# KiCad board panel.kicad_pcb (continued)
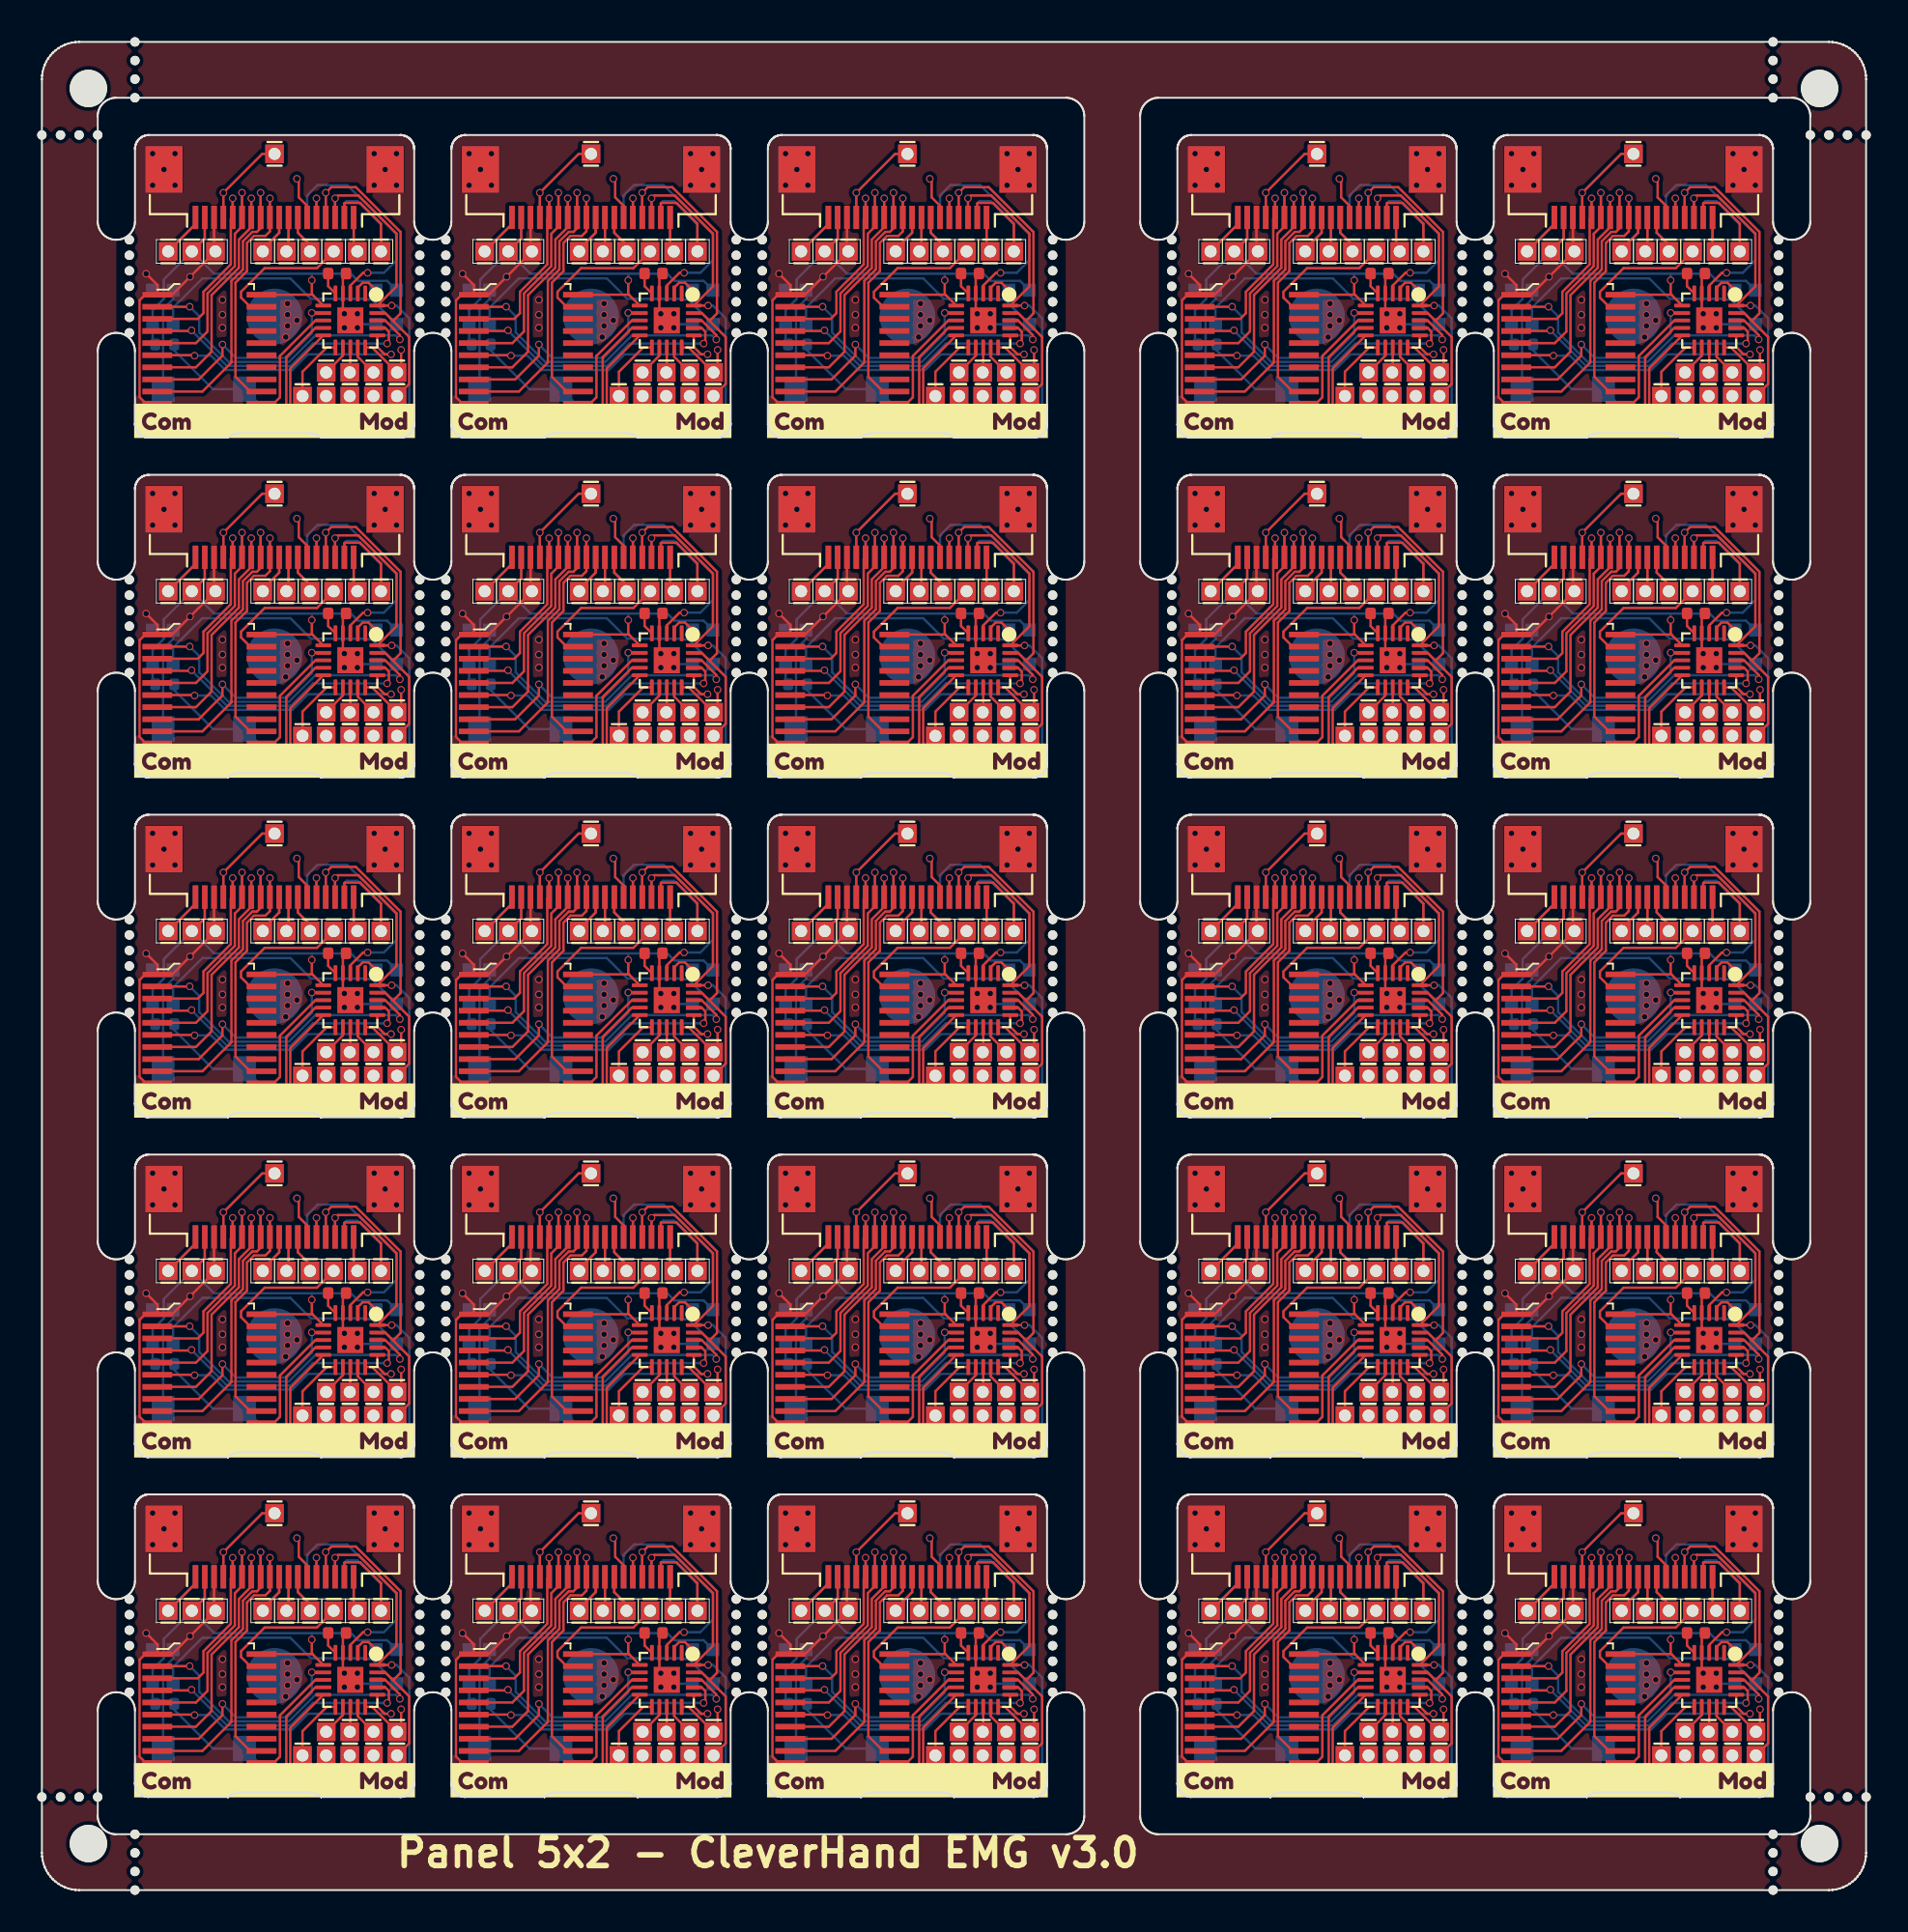
[diagram p0: board, top side]
## Nets (continued)
Board_2-/addr_bus_0: J4#23.5 J10#11.14 U2#14.3
Board_2-/addr_bus_1: J4#23.6 J10#11.13 U2#14.5
Board_2-/addr_bus_2: J4#23.7 J10#11.12 U2#14.7
Board_2-/addr_bus_3: J4#23.8 J10#11.11 U2#14.9
Board_2-/addr_bus_4: J4#23.9 J10#11.10 U2#14.12
Board_2-/addr_bus_5: U2#14.14
Board_2-/addr_bus_6: U2#14.16
Board_2-/addr_bus_7: U2#14.18
Board_2-/addr_mod_0: U1#23.18 U2#14.2
Board_2-/addr_mod_1: U1#23.17 U2#14.4
Board_2-/addr_mod_2: U1#23.16 U2#14.6
Board_2-/addr_mod_3: U1#23.7 U2#14.8
Board_2-/addr_mod_4: U1#23.8 U2#14.11
Board_2-/addr_mod_5: U2#14.13
Board_2-/addr_mod_6: U2#14.15
Board_2-/addr_mod_7: U2#14.17
Board_2-/AIN0: J18#21.1 U1#23.11
Board_2-/AUX1: J4#23.1 J10#11.18 J19#23.1
Board_2-/AUX2: J4#23.17 J10#11.2 J20#7.1
Board_2-/AUX3: J3#24.1 J4#23.4 J10#11.15
Board_2-/CSB: J8#2.1 U2#14.19
Board_2-/extRef: J4#23.18 J9#5.1 J10#11.1
Board_2-/GPIO: J21#18.1 R1#8.2 SW1#4.1 U1#23.10
Board_2-/i2C_SCL: J4#23.16 J10#11.3 J16#25.1 U1#23.20
Board_2-/I2C_SDA: J4#23.15 J10#11.4 J17#23.1 U1#23.19
Board_2-/IO1_in: J4#23.13 U1#23.3
Board_2-/IO1_out: J10#11.6 J11#21.1 U1#23.15
Board_2-/IO2: J4#23.14 J10#11.5
Board_2-/LED_IN: LED1#2.3 U1#23.2
Board_2-/LED_OUT: LED2#19.1
Board_2-/MISO: J4#23.10 J5#6.1 J10#11.9
Board_2-/MOSI: J4#23.11 J6#19.1 J10#11.8
Board_2-/MOSI_ARM: J13#25.1 U1#23.13
Board_2-/SCLK: J4#23.12 J7#5.1 J10#11.7
Board_2-/SCLK_ARM: J14#3.1 U1#23.12
Board_2-/SPICS_ARM: J15#11.1 U1#23.9
Board_2-/SWDIO/MISO_ARM: J12#12.1 U1#23.14
Board_2-/Vcap: C1#17.2 U1#23.5
Board_2-GND: C1#17.1 I1#5.1 J2#17.1 J4#23.3 J4#23.19 J4#23.20 J10#11.16 J10#11.19 J10#11.20 LED1#2.2 LED2#19.2 SW1#4.2 U1#23.4 U1#23.21 U2#14.1 U2#14.10
Board_2-Net-(LED1-DO): LED1#2.1 LED2#19.3
Board_2-unconnected-(U1-P00-Pad1): U1#23.1
Board_3-+3.3V: J1#22.1 J4#22.2 J10#14.17 LED1.4 LED2#25.4 R1#21.1 U1#24.6 U2#11.20
Board_3-/addr_bus_0: J4#22.5 J10#14.14 U2#11.3
Board_3-/addr_bus_1: J4#22.6 J10#14.13 U2#11.5
Board_3-/addr_bus_2: J4#22.7 J10#14.12 U2#11.7
Board_3-/addr_bus_3: J4#22.8 J10#14.11 U2#11.9
Board_3-/addr_bus_4: J4#22.9 J10#14.10 U2#11.12
Board_3-/addr_bus_5: U2#11.14
Board_3-/addr_bus_6: U2#11.16
Board_3-/addr_bus_7: U2#11.18
Board_3-/addr_mod_0: U1#24.18 U2#11.2
Board_3-/addr_mod_1: U1#24.17 U2#11.4
Board_3-/addr_mod_2: U1#24.16 U2#11.6
Board_3-/addr_mod_3: U1#24.7 U2#11.8
Board_3-/addr_mod_4: U1#24.8 U2#11.11
Board_3-/addr_mod_5: U2#11.13
Board_3-/addr_mod_6: U2#11.15
Board_3-/addr_mod_7: U2#11.17
Board_3-/AIN0: J18#14.1 U1#24.11
Board_3-/AUX1: J4#22.1 J10#14.18 J19#17.1
Board_3-/AUX2: J4#22.17 J10#14.2 J20#24.1
Board_3-/AUX3: J3#22.1 J4#22.4 J10#14.15
Board_3-/CSB: J8#20.1 U2#11.19
Board_3-/extRef: J4#22.18 J9#14.1 J10#14.1
Board_3-/GPIO: J21#12.1 R1#21.2 SW1#9.1 U1#24.10
Board_3-/i2C_SCL: J4#22.16 J10#14.3 J16#9.1 U1#24.20
Board_3-/I2C_SDA: J4#22.15 J10#14.4 J17#8.1 U1#24.19
Board_3-/IO1_in: J4#22.13 U1#24.3
Board_3-/IO1_out: J10#14.6 J11#22.1 U1#24.15
Board_3-/IO2: J4#22.14 J10#14.5
Board_3-/LED_IN: LED1.3 U1#24.2
Board_3-/LED_OUT: LED2#25.1
Board_3-/MISO: J4#22.10 J5#21.1 J10#14.9
Board_3-/MOSI: J4#22.11 J6#3.1 J10#14.8
Board_3-/MOSI_ARM: J13#5.1 U1#24.13
Board_3-/SCLK: J4#22.12 J7#21.1 J10#14.7
Board_3-/SCLK_ARM: J14#7.1 U1#24.12
Board_3-/SPICS_ARM: J15#23.1 U1#24.9
Board_3-/SWDIO/MISO_ARM: J12#22.1 U1#24.14
Board_3-/Vcap: C1#2.2 U1#24.5
Board_3-GND: C1#2.1 I1#21.1 J2#16.1 J4#22.3 J4#22.19 J4#22.20 J10#14.16 J10#14.19 J10#14.20 LED1.2 LED2#25.2 SW1#9.2 U1#24.4 U1#24.21 U2#11.1 U2#11.10
Board_3-Net-(LED1-DO): LED1.1 LED2#25.3
Board_3-unconnected-(U1-P00-Pad1): U1#24.1
Board_4-+3.3V: J1#4.1 J4#5.2 J10.17 LED1#24.4 LED2#7.4 R1#14.1 U1#3.6 U2#12.20
Board_4-/addr_bus_0: J4#5.5 J10.14 U2#12.3
Board_4-/addr_bus_1: J4#5.6 J10.13 U2#12.5
Board_4-/addr_bus_2: J4#5.7 J10.12 U2#12.7
Board_4-/addr_bus_3: J4#5.8 J10.11 U2#12.9
Board_4-/addr_bus_4: J4#5.9 J10.10 U2#12.12
Board_4-/addr_bus_5: U2#12.14
Board_4-/addr_bus_6: U2#12.16
Board_4-/addr_bus_7: U2#12.18
Board_4-/addr_mod_0: U1#3.18 U2#12.2
Board_4-/addr_mod_1: U1#3.17 U2#12.4
Board_4-/addr_mod_2: U1#3.16 U2#12.6
Board_4-/addr_mod_3: U1#3.7 U2#12.8
Board_4-/addr_mod_4: U1#3.8 U2#12.11
Board_4-/addr_mod_5: U2#12.13
Board_4-/addr_mod_6: U2#12.15
Board_4-/addr_mod_7: U2#12.17
Board_4-/AIN0: J18#12.1 U1#3.11
Board_4-/AUX1: J4#5.1 J10.18 J19#16.1
Board_4-/AUX2: J4#5.17 J10.2 J20#22.1
Board_4-/AUX3: J3#23.1 J4#5.4 J10.15
Board_4-/CSB: J8#6.1 U2#12.19
Board_4-/extRef: J4#5.18 J9#13.1 J10.1
Board_4-/GPIO: J21#11.1 R1#14.2 SW1#21.1 U1#3.10
Board_4-/i2C_SCL: J4#5.16 J10.3 J16#4.1 U1#3.20
Board_4-/I2C_SDA: J4#5.15 J10.4 J17#16.1 U1#3.19
Board_4-/IO1_in: J4#5.13 U1#3.3
Board_4-/IO1_out: J10.6 J11#25.1 U1#3.15
Board_4-/IO2: J4#5.14 J10.5
Board_4-/LED_IN: LED1#24.3 U1#3.2
Board_4-/LED_OUT: LED2#7.1
Board_4-/MISO: J4#5.10 J5#8.1 J10.9
Board_4-/MOSI: J4#5.11 J6#9.1 J10.8
Board_4-/MOSI_ARM: J13#12.1 U1#3.13
Board_4-/SCLK: J4#5.12 J7#9.1 J10.7
Board_4-/SCLK_ARM: J14#14.1 U1#3.12
Board_4-/SPICS_ARM: J15#12.1 U1#3.9
Board_4-/SWDIO/MISO_ARM: J12#19.1 U1#3.14
Board_4-/Vcap: C1#3.2 U1#3.5
Board_4-GND: C1#3.1 I1#13.1 J2#25.1 J4#5.3 J4#5.19 J4#5.20 J10.16 J10.19 J10.20 LED1#24.2 LED2#7.2 SW1#21.2 U1#3.4 U1#3.21 U2#12.1 U2#12.10
Board_4-Net-(LED1-DO): LED1#24.1 LED2#7.3
Board_4-unconnected-(U1-P00-Pad1): U1#3.1
Board_5-+3.3V: J1#9.1 J4#2.2 J10#16.17 LED1#17.4 LED2#22.4 R1#12.1 U1#18.6 U2#5.20
Board_5-/addr_bus_0: J4#2.5 J10#16.14 U2#5.3
Board_5-/addr_bus_1: J4#2.6 J10#16.13 U2#5.5
Board_5-/addr_bus_2: J4#2.7 J10#16.12 U2#5.7
Board_5-/addr_bus_3: J4#2.8 J10#16.11 U2#5.9
Board_5-/addr_bus_4: J4#2.9 J10#16.10 U2#5.12
Board_5-/addr_bus_5: U2#5.14
Board_5-/addr_bus_6: U2#5.16
Board_5-/addr_bus_7: U2#5.18
Board_5-/addr_mod_0: U1#18.18 U2#5.2
Board_5-/addr_mod_1: U1#18.17 U2#5.4
Board_5-/addr_mod_2: U1#18.16 U2#5.6
Board_5-/addr_mod_3: U1#18.7 U2#5.8
Board_5-/addr_mod_4: U1#18.8 U2#5.11
Board_5-/addr_mod_5: U2#5.13
Board_5-/addr_mod_6: U2#5.15
Board_5-/addr_mod_7: U2#5.17
Board_5-/AIN0: J18#24.1 U1#18.11
Board_5-/AUX1: J4#2.1 J10#16.18 J19#24.1
Board_5-/AUX2: J4#2.17 J10#16.2 J20#3.1
Board_5-/AUX3: J3#16.1 J4#2.4 J10#16.15
Board_5-/CSB: J8#7.1 U2#5.19
Board_5-/extRef: J4#2.18 J9#11.1 J10#16.1
Board_5-/GPIO: J21#6.1 R1#12.2 SW1#6.1 U1#18.10
Board_5-/i2C_SCL: J4#2.16 J10#16.3 J16#2.1 U1#18.20
Board_5-/I2C_SDA: J4#2.15 J10#16.4 J17#10.1 U1#18.19
Board_5-/IO1_in: J4#2.13 U1#18.3
Board_5-/IO1_out: J10#16.6 J11#15.1 U1#18.15
Board_5-/IO2: J4#2.14 J10#16.5
Board_5-/LED_IN: LED1#17.3 U1#18.2
Board_5-/LED_OUT: LED2#22.1
Board_5-/MISO: J4#2.10 J5#10.1 J10#16.9
Board_5-/MOSI: J4#2.11 J6#18.1 J10#16.8
Board_5-/MOSI_ARM: J13#2.1 U1#18.13
Board_5-/SCLK: J4#2.12 J7#24.1 J10#16.7
Board_5-/SCLK_ARM: J14#18.1 U1#18.12
Board_5-/SPICS_ARM: J15#8.1 U1#18.9
Board_5-/SWDIO/MISO_ARM: J12#24.1 U1#18.14
Board_5-/Vcap: C1#7.2 U1#18.5
Board_5-GND: C1#7.1 I1#24.1 J2.1 J4#2.3 J4#2.19 J4#2.20 J10#16.16 J10#16.19 J10#16.20 LED1#17.2 LED2#22.2 SW1#6.2 U1#18.4 U1#18.21 U2#5.1 U2#5.10
Board_5-Net-(LED1-DO): LED1#17.1 LED2#22.3
Board_5-unconnected-(U1-P00-Pad1): U1#18.1
Board_6-+3.3V: J1#19.1 J4#6.2 J10#20.17 LED1#20.4 LED2#16.4 R1#22.1 U1#2.6 U2#18.20
Board_6-/addr_bus_0: J4#6.5 J10#20.14 U2#18.3
Board_6-/addr_bus_1: J4#6.6 J10#20.13 U2#18.5
Board_6-/addr_bus_2: J4#6.7 J10#20.12 U2#18.7
Board_6-/addr_bus_3: J4#6.8 J10#20.11 U2#18.9
Board_6-/addr_bus_4: J4#6.9 J10#20.10 U2#18.12
Board_6-/addr_bus_5: U2#18.14
Board_6-/addr_bus_6: U2#18.16
Board_6-/addr_bus_7: U2#18.18
Board_6-/addr_mod_0: U1#2.18 U2#18.2
Board_6-/addr_mod_1: U1#2.17 U2#18.4
Board_6-/addr_mod_2: U1#2.16 U2#18.6
Board_6-/addr_mod_3: U1#2.7 U2#18.8
Board_6-/addr_mod_4: U1#2.8 U2#18.11
Board_6-/addr_mod_5: U2#18.13
Board_6-/addr_mod_6: U2#18.15
Board_6-/addr_mod_7: U2#18.17
Board_6-/AIN0: J18#16.1 U1#2.11
Board_6-/AUX1: J4#6.1 J10#20.18 J19#21.1
Board_6-/AUX2: J4#6.17 J10#20.2 J20#13.1
Board_6-/AUX3: J3#13.1 J4#6.4 J10#20.15
Board_6-/CSB: J8#8.1 U2#18.19
Board_6-/extRef: J4#6.18 J9#10.1 J10#20.1
Board_6-/GPIO: J21#24.1 R1#22.2 SW1#5.1 U1#2.10
Board_6-/i2C_SCL: J4#6.16 J10#20.3 J16#6.1 U1#2.20
Board_6-/I2C_SDA: J4#6.15 J10#20.4 J17#20.1 U1#2.19
Board_6-/IO1_in: J4#6.13 U1#2.3
Board_6-/IO1_out: J10#20.6 J11#23.1 U1#2.15
Board_6-/IO2: J4#6.14 J10#20.5
Board_6-/LED_IN: LED1#20.3 U1#2.2
Board_6-/LED_OUT: LED2#16.1
Board_6-/MISO: J4#6.10 J5#22.1 J10#20.9
Board_6-/MOSI: J4#6.11 J6#25.1 J10#20.8
Board_6-/MOSI_ARM: J13#14.1 U1#2.13
Board_6-/SCLK: J4#6.12 J7#25.1 J10#20.7
Board_6-/SCLK_ARM: J14.1 U1#2.12
Board_6-/SPICS_ARM: J15#5.1 U1#2.9
Board_6-/SWDIO/MISO_ARM: J12#20.1 U1#2.14
Board_6-/Vcap: C1#20.2 U1#2.5
Board_6-GND: C1#20.1 I1#20.1 J2#12.1 J4#6.3 J4#6.19 J4#6.20 J10#20.16 J10#20.19 J10#20.20 LED1#20.2 LED2#16.2 SW1#5.2 U1#2.4 U1#2.21 U2#18.1 U2#18.10
Board_6-Net-(LED1-DO): LED1#20.1 LED2#16.3
Board_6-unconnected-(U1-P00-Pad1): U1#2.1
Board_7-+3.3V: J1#20.1 J4#15.2 J10#13.17 LED1#4.4 LED2#6.4 R1#10.1 U1#9.6 U2#23.20
Board_7-/addr_bus_0: J4#15.5 J10#13.14 U2#23.3
Board_7-/addr_bus_1: J4#15.6 J10#13.13 U2#23.5
Board_7-/addr_bus_2: J4#15.7 J10#13.12 U2#23.7
Board_7-/addr_bus_3: J4#15.8 J10#13.11 U2#23.9
Board_7-/addr_bus_4: J4#15.9 J10#13.10 U2#23.12
Board_7-/addr_bus_5: U2#23.14
Board_7-/addr_bus_6: U2#23.16
Board_7-/addr_bus_7: U2#23.18
Board_7-/addr_mod_0: U1#9.18 U2#23.2
Board_7-/addr_mod_1: U1#9.17 U2#23.4
Board_7-/addr_mod_2: U1#9.16 U2#23.6
Board_7-/addr_mod_3: U1#9.7 U2#23.8
Board_7-/addr_mod_4: U1#9.8 U2#23.11
Board_7-/addr_mod_5: U2#23.13
Board_7-/addr_mod_6: U2#23.15
Board_7-/addr_mod_7: U2#23.17
Board_7-/AIN0: J18.1 U1#9.11
Board_7-/AUX1: J4#15.1 J10#13.18 J19#2.1
Board_7-/AUX2: J4#15.17 J10#13.2 J20#12.1
Board_7-/AUX3: J3#14.1 J4#15.4 J10#13.15
Board_7-/CSB: J8#15.1 U2#23.19
Board_7-/extRef: J4#15.18 J9#3.1 J10#13.1
Board_7-/GPIO: J21#13.1 R1#10.2 SW1#24.1 U1#9.10
Board_7-/i2C_SCL: J4#15.16 J10#13.3 J16#15.1 U1#9.20
Board_7-/I2C_SDA: J4#15.15 J10#13.4 J17#14.1 U1#9.19
Board_7-/IO1_in: J4#15.13 U1#9.3
Board_7-/IO1_out: J10#13.6 J11#20.1 U1#9.15
Board_7-/IO2: J4#15.14 J10#13.5
Board_7-/LED_IN: LED1#4.3 U1#9.2
Board_7-/LED_OUT: LED2#6.1
Board_7-/MISO: J4#15.10 J5#2.1 J10#13.9
Board_7-/MOSI: J4#15.11 J6#16.1 J10#13.8
Board_7-/MOSI_ARM: J13#6.1 U1#9.13
Board_7-/SCLK: J4#15.12 J7#4.1 J10#13.7
Board_7-/SCLK_ARM: J14#12.1 U1#9.12
Board_7-/SPICS_ARM: J15#15.1 U1#9.9
Board_7-/SWDIO/MISO_ARM: J12#10.1 U1#9.14
Board_7-/Vcap: C1#11.2 U1#9.5
Board_7-GND: C1#11.1 I1#11.1 J2#20.1 J4#15.3 J4#15.19 J4#15.20 J10#13.16 J10#13.19 J10#13.20 LED1#4.2 LED2#6.2 SW1#24.2 U1#9.4 U1#9.21 U2#23.1 U2#23.10
Board_7-Net-(LED1-DO): LED1#4.1 LED2#6.3
Board_7-unconnected-(U1-P00-Pad1): U1#9.1
Board_8-+3.3V: J1#2.1 J4#16.2 J10#5.17 LED1#16.4 LED2#13.4 R1#2.1 U1#15.6 U2#25.20
Board_8-/addr_bus_0: J4#16.5 J10#5.14 U2#25.3
Board_8-/addr_bus_1: J4#16.6 J10#5.13 U2#25.5
Board_8-/addr_bus_2: J4#16.7 J10#5.12 U2#25.7
Board_8-/addr_bus_3: J4#16.8 J10#5.11 U2#25.9
Board_8-/addr_bus_4: J4#16.9 J10#5.10 U2#25.12
Board_8-/addr_bus_5: U2#25.14
Board_8-/addr_bus_6: U2#25.16
Board_8-/addr_bus_7: U2#25.18
Board_8-/addr_mod_0: U1#15.18 U2#25.2
Board_8-/addr_mod_1: U1#15.17 U2#25.4
Board_8-/addr_mod_2: U1#15.16 U2#25.6
Board_8-/addr_mod_3: U1#15.7 U2#25.8
Board_8-/addr_mod_4: U1#15.8 U2#25.11
Board_8-/addr_mod_5: U2#25.13
Board_8-/addr_mod_6: U2#25.15
Board_8-/addr_mod_7: U2#25.17
Board_8-/AIN0: J18#19.1 U1#15.11
Board_8-/AUX1: J4#16.1 J10#5.18 J19#6.1
Board_8-/AUX2: J4#16.17 J10#5.2 J20#15.1
Board_8-/AUX3: J3#20.1 J4#16.4 J10#5.15
Board_8-/CSB: J8#9.1 U2#25.19
Board_8-/extRef: J4#16.18 J9.1 J10#5.1
Board_8-/GPIO: J21#22.1 R1#2.2 SW1#10.1 U1#15.10
Board_8-/i2C_SCL: J4#16.16 J10#5.3 J16#18.1 U1#15.20
Board_8-/I2C_SDA: J4#16.15 J10#5.4 J17#17.1 U1#15.19
Board_8-/IO1_in: J4#16.13 U1#15.3
Board_8-/IO1_out: J10#5.6 J11.1 U1#15.15
Board_8-/IO2: J4#16.14 J10#5.5
Board_8-/LED_IN: LED1#16.3 U1#15.2
Board_8-/LED_OUT: LED2#13.1
Board_8-/MISO: J4#16.10 J5#5.1 J10#5.9
Board_8-/MOSI: J4#16.11 J6#20.1 J10#5.8
Board_8-/MOSI_ARM: J13#18.1 U1#15.13
Board_8-/SCLK: J4#16.12 J7#6.1 J10#5.7
Board_8-/SCLK_ARM: J14#8.1 U1#15.12
Board_8-/SPICS_ARM: J15#3.1 U1#15.9
Board_8-/SWDIO/MISO_ARM: J12.1 U1#15.14
Board_8-/Vcap: C1#21.2 U1#15.5
Board_8-GND: C1#21.1 I1#14.1 J2#14.1 J4#16.3 J4#16.19 J4#16.20 J10#5.16 J10#5.19 J10#5.20 LED1#16.2 LED2#13.2 SW1#10.2 U1#15.4 U1#15.21 U2#25.1 U2#25.10
Board_8-Net-(LED1-DO): LED1#16.1 LED2#13.3
Board_8-unconnected-(U1-P00-Pad1): U1#15.1
Board_9-+3.3V: J1#11.1 J4#19.2 J10#17.17 LED1#15.4 LED2#4.4 R1#9.1 U1#14.6 U2#9.20
Board_9-/addr_bus_0: J4#19.5 J10#17.14 U2#9.3
Board_9-/addr_bus_1: J4#19.6 J10#17.13 U2#9.5
Board_9-/addr_bus_2: J4#19.7 J10#17.12 U2#9.7
Board_9-/addr_bus_3: J4#19.8 J10#17.11 U2#9.9
Board_9-/addr_bus_4: J4#19.9 J10#17.10 U2#9.12
Board_9-/addr_bus_5: U2#9.14
Board_9-/addr_bus_6: U2#9.16
Board_9-/addr_bus_7: U2#9.18
Board_9-/addr_mod_0: U1#14.18 U2#9.2
Board_9-/addr_mod_1: U1#14.17 U2#9.4
Board_9-/addr_mod_2: U1#14.16 U2#9.6
Board_9-/addr_mod_3: U1#14.7 U2#9.8
Board_9-/addr_mod_4: U1#14.8 U2#9.11
Board_9-/addr_mod_5: U2#9.13
Board_9-/addr_mod_6: U2#9.15
Board_9-/addr_mod_7: U2#9.17
Board_9-/AIN0: J18#23.1 U1#14.11
Board_9-/AUX1: J4#19.1 J10#17.18 J19#22.1
Board_9-/AUX2: J4#19.17 J10#17.2 J20#17.1
Board_9-/AUX3: J3#2.1 J4#19.4 J10#17.15
Board_9-/CSB: J8#3.1 U2#9.19
Board_9-/extRef: J4#19.18 J9#25.1 J10#17.1
Board_9-/GPIO: J21#16.1 R1#9.2 SW1#18.1 U1#14.10
Board_9-/i2C_SCL: J4#19.16 J10#17.3 J16#13.1 U1#14.20
Board_9-/I2C_SDA: J4#19.15 J10#17.4 J17#24.1 U1#14.19
Board_9-/IO1_in: J4#19.13 U1#14.3
Board_9-/IO1_out: J10#17.6 J11#18.1 U1#14.15
Board_9-/IO2: J4#19.14 J10#17.5
Board_9-/LED_IN: LED1#15.3 U1#14.2
Board_9-/LED_OUT: LED2#4.1
Board_9-/MISO: J4#19.10 J5#18.1 J10#17.9
Board_9-/MOSI: J4#19.11 J6#15.1 J10#17.8
Board_9-/MOSI_ARM: J13#11.1 U1#14.13
Board_9-/SCLK: J4#19.12 J7#15.1 J10#17.7
Board_9-/SCLK_ARM: J14#21.1 U1#14.12
Board_9-/SPICS_ARM: J15#7.1 U1#14.9
Board_9-/SWDIO/MISO_ARM: J12#18.1 U1#14.14
Board_9-/Vcap: C1#22.2 U1#14.5
Board_9-GND: C1#22.1 I1#16.1 J2#3.1 J4#19.3 J4#19.19 J4#19.20 J10#17.16 J10#17.19 J10#17.20 LED1#15.2 LED2#4.2 SW1#18.2 U1#14.4 U1#14.21 U2#9.1 U2#9.10
Board_9-Net-(LED1-DO): LED1#15.1 LED2#4.3
Board_9-unconnected-(U1-P00-Pad1): U1#14.1
Board_10-+3.3V: J1#24.1 J4#20.2 J10#7.17 LED1#11.4 LED2#9.4 R1#23.1 U1#13.6 U2#21.20
Board_10-/addr_bus_0: J4#20.5 J10#7.14 U2#21.3
Board_10-/addr_bus_1: J4#20.6 J10#7.13 U2#21.5
Board_10-/addr_bus_2: J4#20.7 J10#7.12 U2#21.7
Board_10-/addr_bus_3: J4#20.8 J10#7.11 U2#21.9
Board_10-/addr_bus_4: J4#20.9 J10#7.10 U2#21.12
Board_10-/addr_bus_5: U2#21.14
Board_10-/addr_bus_6: U2#21.16
Board_10-/addr_bus_7: U2#21.18
Board_10-/addr_mod_0: U1#13.18 U2#21.2
Board_10-/addr_mod_1: U1#13.17 U2#21.4
Board_10-/addr_mod_2: U1#13.16 U2#21.6
Board_10-/addr_mod_3: U1#13.7 U2#21.8
Board_10-/addr_mod_4: U1#13.8 U2#21.11
Board_10-/addr_mod_5: U2#21.13
Board_10-/addr_mod_6: U2#21.15
Board_10-/addr_mod_7: U2#21.17
Board_10-/AIN0: J18#11.1 U1#13.11
Board_10-/AUX1: J4#20.1 J10#7.18 J19#20.1
Board_10-/AUX2: J4#20.17 J10#7.2 J20#25.1
Board_10-/AUX3: J3#9.1 J4#20.4 J10#7.15
Board_10-/CSB: J8#17.1 U2#21.19
Board_10-/extRef: J4#20.18 J9#4.1 J10#7.1
Board_10-/GPIO: J21#9.1 R1#23.2 SW1.1 U1#13.10
Board_10-/i2C_SCL: J4#20.16 J10#7.3 J16.1 U1#13.20
Board_10-/I2C_SDA: J4#20.15 J10#7.4 J17#3.1 U1#13.19
Board_10-/IO1_in: J4#20.13 U1#13.3
Board_10-/IO1_out: J10#7.6 J11#12.1 U1#13.15
Board_10-/IO2: J4#20.14 J10#7.5
Board_10-/LED_IN: LED1#11.3 U1#13.2
Board_10-/LED_OUT: LED2#9.1
Board_10-/MISO: J4#20.10 J5#16.1 J10#7.9
Board_10-/MOSI: J4#20.11 J6#24.1 J10#7.8
Board_10-/MOSI_ARM: J13#10.1 U1#13.13
Board_10-/SCLK: J4#20.12 J7#17.1 J10#7.7
Board_10-/SCLK_ARM: J14#20.1 U1#13.12
Board_10-/SPICS_ARM: J15#22.1 U1#13.9
Board_10-/SWDIO/MISO_ARM: J12#16.1 U1#13.14
Board_10-/Vcap: C1#9.2 U1#13.5
Board_10-GND: C1#9.1 I1#17.1 J2#6.1 J4#20.3 J4#20.19 J4#20.20 J10#7.16 J10#7.19 J10#7.20 LED1#11.2 LED2#9.2 SW1.2 U1#13.4 U1#13.21 U2#21.1 U2#21.10
Board_10-Net-(LED1-DO): LED1#11.1 LED2#9.3
Board_10-unconnected-(U1-P00-Pad1): U1#13.1
Board_11-+3.3V: J1#18.1 J4#9.2 J10#19.17 LED1#12.4 LED2#5.4 R1#6.1 U1#7.6 U2#20.20
Board_11-/addr_bus_0: J4#9.5 J10#19.14 U2#20.3
Board_11-/addr_bus_1: J4#9.6 J10#19.13 U2#20.5
Board_11-/addr_bus_2: J4#9.7 J10#19.12 U2#20.7
Board_11-/addr_bus_3: J4#9.8 J10#19.11 U2#20.9
Board_11-/addr_bus_4: J4#9.9 J10#19.10 U2#20.12
Board_11-/addr_bus_5: U2#20.14
Board_11-/addr_bus_6: U2#20.16
Board_11-/addr_bus_7: U2#20.18
Board_11-/addr_mod_0: U1#7.18 U2#20.2
Board_11-/addr_mod_1: U1#7.17 U2#20.4
Board_11-/addr_mod_2: U1#7.16 U2#20.6
Board_11-/addr_mod_3: U1#7.7 U2#20.8
Board_11-/addr_mod_4: U1#7.8 U2#20.11
Board_11-/addr_mod_5: U2#20.13
Board_11-/addr_mod_6: U2#20.15
Board_11-/addr_mod_7: U2#20.17
Board_11-/AIN0: J18#25.1 U1#7.11
Board_11-/AUX1: J4#9.1 J10#19.18 J19#11.1
Board_11-/AUX2: J4#9.17 J10#19.2 J20#2.1
Board_11-/AUX3: J3#18.1 J4#9.4 J10#19.15
Board_11-/CSB: J8.1 U2#20.19
Board_11-/extRef: J4#9.18 J9#7.1 J10#19.1
Board_11-/GPIO: J21#25.1 R1#6.2 SW1#20.1 U1#7.10
Board_11-/i2C_SCL: J4#9.16 J10#19.3 J16#21.1 U1#7.20
Board_11-/I2C_SDA: J4#9.15 J10#19.4 J17#6.1 U1#7.19
Board_11-/IO1_in: J4#9.13 U1#7.3
Board_11-/IO1_out: J10#19.6 J11#3.1 U1#7.15
Board_11-/IO2: J4#9.14 J10#19.5
Board_11-/LED_IN: LED1#12.3 U1#7.2
Board_11-/LED_OUT: LED2#5.1
Board_11-/MISO: J4#9.10 J5#11.1 J10#19.9
Board_11-/MOSI: J4#9.11 J6.1 J10#19.8
Board_11-/MOSI_ARM: J13#19.1 U1#7.13
Board_11-/SCLK: J4#9.12 J7#19.1 J10#19.7
Board_11-/SCLK_ARM: J14#23.1 U1#7.12
Board_11-/SPICS_ARM: J15#16.1 U1#7.9
Board_11-/SWDIO/MISO_ARM: J12#13.1 U1#7.14
Board_11-/Vcap: C1#13.2 U1#7.5
Board_11-GND: C1#13.1 I1#15.1 J2#22.1 J4#9.3 J4#9.19 J4#9.20 J10#19.16 J10#19.19 J10#19.20 LED1#12.2 LED2#5.2 SW1#20.2 U1#7.4 U1#7.21 U2#20.1 U2#20.10
Board_11-Net-(LED1-DO): LED1#12.1 LED2#5.3
Board_11-unconnected-(U1-P00-Pad1): U1#7.1
Board_12-+3.3V: J1#16.1 J4#7.2 J10#12.17 LED1#5.4 LED2#21.4 R1#16.1 U1#25.6 U2#22.20
Board_12-/addr_bus_0: J4#7.5 J10#12.14 U2#22.3
Board_12-/addr_bus_1: J4#7.6 J10#12.13 U2#22.5
Board_12-/addr_bus_2: J4#7.7 J10#12.12 U2#22.7
Board_12-/addr_bus_3: J4#7.8 J10#12.11 U2#22.9
Board_12-/addr_bus_4: J4#7.9 J10#12.10 U2#22.12
Board_12-/addr_bus_5: U2#22.14
Board_12-/addr_bus_6: U2#22.16
Board_12-/addr_bus_7: U2#22.18
Board_12-/addr_mod_0: U1#25.18 U2#22.2
Board_12-/addr_mod_1: U1#25.17 U2#22.4
Board_12-/addr_mod_2: U1#25.16 U2#22.6
Board_12-/addr_mod_3: U1#25.7 U2#22.8
Board_12-/addr_mod_4: U1#25.8 U2#22.11
Board_12-/addr_mod_5: U2#22.13
Board_12-/addr_mod_6: U2#22.15
Board_12-/addr_mod_7: U2#22.17
Board_12-/AIN0: J18#3.1 U1#25.11
Board_12-/AUX1: J4#7.1 J10#12.18 J19#9.1
Board_12-/AUX2: J4#7.17 J10#12.2 J20#8.1
Board_12-/AUX3: J3#15.1 J4#7.4 J10#12.15
Board_12-/CSB: J8#13.1 U2#22.19
Board_12-/extRef: J4#7.18 J9#6.1 J10#12.1
Board_12-/GPIO: J21#21.1 R1#16.2 SW1#11.1 U1#25.10
Board_12-/i2C_SCL: J4#7.16 J10#12.3 J16#3.1 U1#25.20
Board_12-/I2C_SDA: J4#7.15 J10#12.4 J17#7.1 U1#25.19
Board_12-/IO1_in: J4#7.13 U1#25.3
Board_12-/IO1_out: J10#12.6 J11#14.1 U1#25.15
Board_12-/IO2: J4#7.14 J10#12.5
Board_12-/LED_IN: LED1#5.3 U1#25.2
Board_12-/LED_OUT: LED2#21.1
Board_12-/MISO: J4#7.10 J5.1 J10#12.9
Board_12-/MOSI: J4#7.11 J6#11.1 J10#12.8
Board_12-/MOSI_ARM: J13#15.1 U1#25.13
Board_12-/SCLK: J4#7.12 J7#13.1 J10#12.7
Board_12-/SCLK_ARM: J14#16.1 U1#25.12
Board_12-/SPICS_ARM: J15#13.1 U1#25.9
Board_12-/SWDIO/MISO_ARM: J12#14.1 U1#25.14
Board_12-/Vcap: C1#5.2 U1#25.5
Board_12-GND: C1#5.1 I1#12.1 J2#11.1 J4#7.3 J4#7.19 J4#7.20 J10#12.16 J10#12.19 J10#12.20 LED1#5.2 LED2#21.2 SW1#11.2 U1#25.4 U1#25.21 U2#22.1 U2#22.10
Board_12-Net-(LED1-DO): LED1#5.1 LED2#21.3
Board_12-unconnected-(U1-P00-Pad1): U1#25.1
Board_13-+3.3V: J1#10.1 J4#13.2 J10#9.17 LED1#8.4 LED2#20.4 R1#25.1 U1#6.6 U2#3.20
Board_13-/addr_bus_0: J4#13.5 J10#9.14 U2#3.3
Board_13-/addr_bus_1: J4#13.6 J10#9.13 U2#3.5
Board_13-/addr_bus_2: J4#13.7 J10#9.12 U2#3.7
Board_13-/addr_bus_3: J4#13.8 J10#9.11 U2#3.9
Board_13-/addr_bus_4: J4#13.9 J10#9.10 U2#3.12
Board_13-/addr_bus_5: U2#3.14
Board_13-/addr_bus_6: U2#3.16
Board_13-/addr_bus_7: U2#3.18
Board_13-/addr_mod_0: U1#6.18 U2#3.2
Board_13-/addr_mod_1: U1#6.17 U2#3.4
Board_13-/addr_mod_2: U1#6.16 U2#3.6
Board_13-/addr_mod_3: U1#6.7 U2#3.8
Board_13-/addr_mod_4: U1#6.8 U2#3.11
Board_13-/addr_mod_5: U2#3.13
Board_13-/addr_mod_6: U2#3.15
Board_13-/addr_mod_7: U2#3.17
Board_13-/AIN0: J18#13.1 U1#6.11
Board_13-/AUX1: J4#13.1 J10#9.18 J19#4.1
Board_13-/AUX2: J4#13.17 J10#9.2 J20#19.1
Board_13-/AUX3: J3#11.1 J4#13.4 J10#9.15
Board_13-/CSB: J8#24.1 U2#3.19
Board_13-/extRef: J4#13.18 J9#8.1 J10#9.1
Board_13-/GPIO: J21#3.1 R1#25.2 SW1#14.1 U1#6.10
Board_13-/i2C_SCL: J4#13.16 J10#9.3 J16#8.1 U1#6.20
Board_13-/I2C_SDA: J4#13.15 J10#9.4 J17#12.1 U1#6.19
Board_13-/IO1_in: J4#13.13 U1#6.3
Board_13-/IO1_out: J10#9.6 J11#11.1 U1#6.15
Board_13-/IO2: J4#13.14 J10#9.5
Board_13-/LED_IN: LED1#8.3 U1#6.2
Board_13-/LED_OUT: LED2#20.1
Board_13-/MISO: J4#13.10 J5#15.1 J10#9.9
Board_13-/MOSI: J4#13.11 J6#2.1 J10#9.8
Board_13-/MOSI_ARM: J13#4.1 U1#6.13
Board_13-/SCLK: J4#13.12 J7#18.1 J10#9.7
Board_13-/SCLK_ARM: J14#10.1 U1#6.12
Board_13-/SPICS_ARM: J15#2.1 U1#6.9
Board_13-/SWDIO/MISO_ARM: J12#2.1 U1#6.14
Board_13-/Vcap: C1#10.2 U1#6.5
Board_13-GND: C1#10.1 I1#22.1 J2#24.1 J4#13.3 J4#13.19 J4#13.20 J10#9.16 J10#9.19 J10#9.20 LED1#8.2 LED2#20.2 SW1#14.2 U1#6.4 U1#6.21 U2#3.1 U2#3.10
Board_13-Net-(LED1-DO): LED1#8.1 LED2#20.3
Board_13-unconnected-(U1-P00-Pad1): U1#6.1
Board_14-+3.3V: J1#25.1 J4#24.2 J10#8.17 LED1#3.4 LED2#8.4 R1#19.1 U1#19.6 U2#19.20
Board_14-/addr_bus_0: J4#24.5 J10#8.14 U2#19.3
Board_14-/addr_bus_1: J4#24.6 J10#8.13 U2#19.5
Board_14-/addr_bus_2: J4#24.7 J10#8.12 U2#19.7
Board_14-/addr_bus_3: J4#24.8 J10#8.11 U2#19.9
Board_14-/addr_bus_4: J4#24.9 J10#8.10 U2#19.12
Board_14-/addr_bus_5: U2#19.14
Board_14-/addr_bus_6: U2#19.16
Board_14-/addr_bus_7: U2#19.18
Board_14-/addr_mod_0: U1#19.18 U2#19.2
Board_14-/addr_mod_1: U1#19.17 U2#19.4
Board_14-/addr_mod_2: U1#19.16 U2#19.6
Board_14-/addr_mod_3: U1#19.7 U2#19.8
Board_14-/addr_mod_4: U1#19.8 U2#19.11
Board_14-/addr_mod_5: U2#19.13
Board_14-/addr_mod_6: U2#19.15
Board_14-/addr_mod_7: U2#19.17
Board_14-/AIN0: J18#22.1 U1#19.11
Board_14-/AUX1: J4#24.1 J10#8.18 J19#18.1
Board_14-/AUX2: J4#24.17 J10#8.2 J20#5.1
Board_14-/AUX3: J3#10.1 J4#24.4 J10#8.15
Board_14-/CSB: J8#11.1 U2#19.19
Board_14-/extRef: J4#24.18 J9#21.1 J10#8.1
Board_14-/GPIO: J21#23.1 R1#19.2 SW1#7.1 U1#19.10
Board_14-/i2C_SCL: J4#24.16 J10#8.3 J16#11.1 U1#19.20
Board_14-/I2C_SDA: J4#24.15 J10#8.4 J17#11.1 U1#19.19
Board_14-/IO1_in: J4#24.13 U1#19.3
Board_14-/IO1_out: J10#8.6 J11#2.1 U1#19.15
Board_14-/IO2: J4#24.14 J10#8.5
Board_14-/LED_IN: LED1#3.3 U1#19.2
Board_14-/LED_OUT: LED2#8.1
Board_14-/MISO: J4#24.10 J5#7.1 J10#8.9
Board_14-/MOSI: J4#24.11 J6#10.1 J10#8.8
Board_14-/MOSI_ARM: J13#24.1 U1#19.13
Board_14-/SCLK: J4#24.12 J7#10.1 J10#8.7
Board_14-/SCLK_ARM: J14#2.1 U1#19.12
Board_14-/SPICS_ARM: J15#21.1 U1#19.9
Board_14-/SWDIO/MISO_ARM: J12#8.1 U1#19.14
Board_14-/Vcap: C1.2 U1#19.5
Board_14-GND: C1.1 I1#4.1 J2#7.1 J4#24.3 J4#24.19 J4#24.20 J10#8.16 J10#8.19 J10#8.20 LED1#3.2 LED2#8.2 SW1#7.2 U1#19.4 U1#19.21 U2#19.1 U2#19.10
Board_14-Net-(LED1-DO): LED1#3.1 LED2#8.3
Board_14-unconnected-(U1-P00-Pad1): U1#19.1
Board_15-+3.3V: J1#17.1 J4#21.2 J10#18.17 LED1#6.4 LED2#12.4 R1.1 U1#5.6 U2.20
Board_15-/addr_bus_0: J4#21.5 J10#18.14 U2.3
Board_15-/addr_bus_1: J4#21.6 J10#18.13 U2.5
Board_15-/addr_bus_2: J4#21.7 J10#18.12 U2.7
Board_15-/addr_bus_3: J4#21.8 J10#18.11 U2.9
Board_15-/addr_bus_4: J4#21.9 J10#18.10 U2.12
Board_15-/addr_bus_5: U2.14
Board_15-/addr_bus_6: U2.16
Board_15-/addr_bus_7: U2.18
Board_15-/addr_mod_0: U1#5.18 U2.2
Board_15-/addr_mod_1: U1#5.17 U2.4
Board_15-/addr_mod_2: U1#5.16 U2.6
Board_15-/addr_mod_3: U1#5.7 U2.8
Board_15-/addr_mod_4: U1#5.8 U2.11
Board_15-/addr_mod_5: U2.13
Board_15-/addr_mod_6: U2.15
Board_15-/addr_mod_7: U2.17
Board_15-/AIN0: J18#20.1 U1#5.11
Board_15-/AUX1: J4#21.1 J10#18.18 J19#14.1
Board_15-/AUX2: J4#21.17 J10#18.2 J20#6.1
Board_15-/AUX3: J3#12.1 J4#21.4 J10#18.15
Board_15-/CSB: J8#21.1 U2.19
Board_15-/extRef: J4#21.18 J9#12.1 J10#18.1
Board_15-/GPIO: J21#17.1 R1.2 SW1#25.1 U1#5.10
Board_15-/i2C_SCL: J4#21.16 J10#18.3 J16#23.1 U1#5.20
Board_15-/I2C_SDA: J4#21.15 J10#18.4 J17#22.1 U1#5.19
Board_15-/IO1_in: J4#21.13 U1#5.3
Board_15-/IO1_out: J10#18.6 J11#5.1 U1#5.15
Board_15-/IO2: J4#21.14 J10#18.5
Board_15-/LED_IN: LED1#6.3 U1#5.2
Board_15-/LED_OUT: LED2#12.1
Board_15-/MISO: J4#21.10 J5#14.1 J10#18.9
Board_15-/MOSI: J4#21.11 J6#7.1 J10#18.8
Board_15-/MOSI_ARM: J13#21.1 U1#5.13
Board_15-/SCLK: J4#21.12 J7#16.1 J10#18.7
Board_15-/SCLK_ARM: J14#13.1 U1#5.12
Board_15-/SPICS_ARM: J15.1 U1#5.9
Board_15-/SWDIO/MISO_ARM: J12#15.1 U1#5.14
Board_15-/Vcap: C1#16.2 U1#5.5
Board_15-GND: C1#16.1 I1#18.1 J2#8.1 J4#21.3 J4#21.19 J4#21.20 J10#18.16 J10#18.19 J10#18.20 LED1#6.2 LED2#12.2 SW1#25.2 U1#5.4 U1#5.21 U2.1 U2.10
Board_15-Net-(LED1-DO): LED1#6.1 LED2#12.3
Board_15-unconnected-(U1-P00-Pad1): U1#5.1
Board_16-+3.3V: J1#6.1 J4#25.2 J10#22.17 LED1#21.4 LED2#2.4 R1#17.1 U1#17.6 U2#6.20
Board_16-/addr_bus_0: J4#25.5 J10#22.14 U2#6.3
Board_16-/addr_bus_1: J4#25.6 J10#22.13 U2#6.5
Board_16-/addr_bus_2: J4#25.7 J10#22.12 U2#6.7
